# Altium PCB Lapwing2p2.PcbDoc (part 1 of 2) (continued)
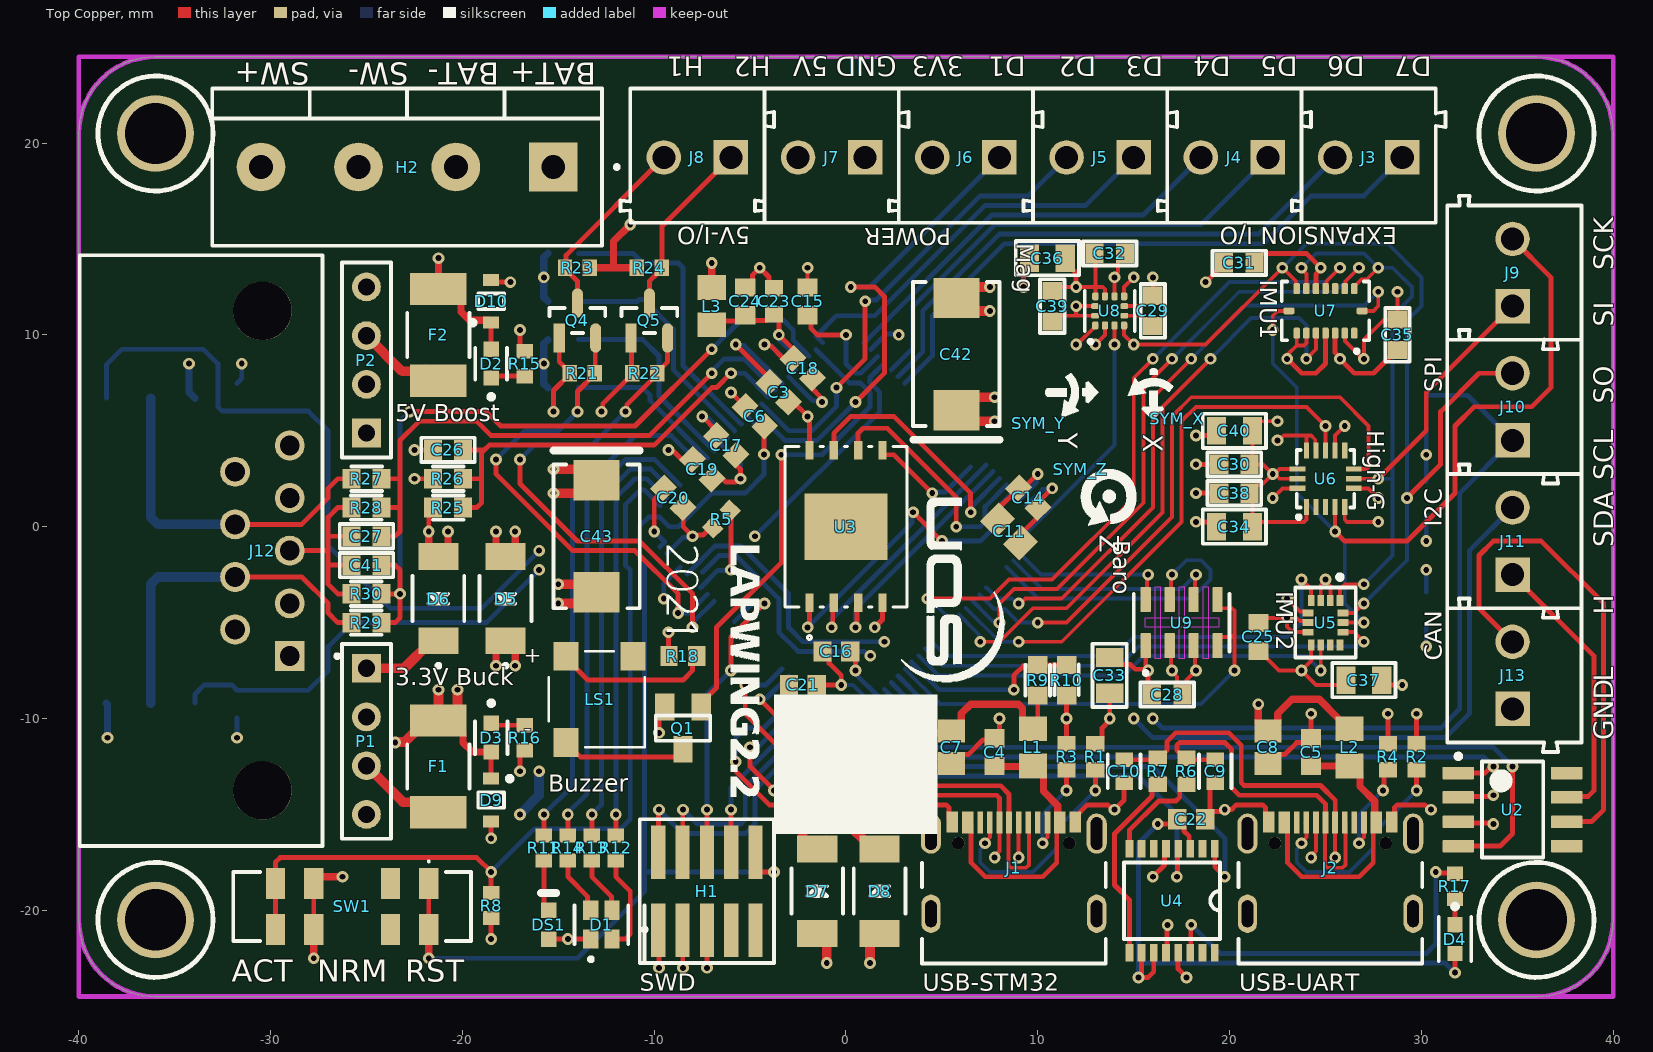
[diagram p0: Top Copper view]
## Components (designator, comment, footprint, x,y, rotation, side; value= is the part's Value field where it differs from the comment) (continued)
SYM_Z "" SYMBOL_GYRO_Z 12.25,3 r270 top
U1 "STM32L486VGT6" STM-LQFP100_L -0.136,0.028 r315 bottom locked
U2 "SN65HVD232D" D0008A_M 34.75,-14.75 r0 top
U3 "W25M02GVZEIT" WSON_VZEIT_WIN-M 0,0 r90 top locked
U4 "FT230XS-R" U_FT230XS 17,-19.5 r270 top
U5 "LSM6DSLTR" FP-LGA-14L-DM00249496-MFG 25,-5 r270 top
U6 "H3LIS331DLTR" U_H3LIS331DLTR 25,2.5 r90 top
U7 "BMI088" U_BMI088 25,11.25 r180 top
U8 "LIS2MDLTR" U_LIS2MDL 13.75,11.25 r90 top
U9 "MS560702BA03-50" U_MS560702BA03-50 17.5,-5 r90 top
XTAL1 "NX3215SA-32.768KHZ-EXS00A-MU00525" X_NX3215SA -11,8.5 r270 bottom value=32.768kHz
XTAL2 "NX3225GD-8MHZ-STD-CRA-3" X_NX3225GD -11,13 r270 bottom value=8MHz

## Footprints (in the part's own frame and the unit in brackets; to place one, negate y for a bottom-side part, rotate by r counter-clockwise, add the part's x,y. Pads: shape width x height; smd on the part's side, far side on the other; paste and mask are expansions set on the pad)
691103110002 [mm] "3,50mm - modular - blue - Horizontal wire entry - Pressure clamp - 8,4mm height - 02p"
  rect 1.8x1.8 hole 1.2: 1(-1.75,0.1)
  round 1.8 hole 1.2: 2(1.75,0.1)
  silkscreen extent -4,-3.5 4,3.5, body extent -4,-3.5 4,3.5, height 8.45
AVX-7343-31_L [mm] "Molded Capacitor, 2-Leads, Body 7.5x4.5mm, IPC High Density"
  rect 2.1x2.4 smd: 1(-2.925,0) 2(2.925,0)
  silkscreen extent -4.47,-2.25 3.75,2.25, body extent -3.97,-2.25 3.97,2.25, height 3.1
BOUR-MF-MSMF110-24X-2_V [mm] "Chip Fuse, 2-Leads, Body 4.6x3.24mm"
  rect 1.68x2.95 smd: 1(-2.39,0) 2(2.39,0)
  silkscreen extent -1.15,-1.62 1.15,1.62, body extent -2.3,-1.62 2.3,1.62, height 1.15
C0603 [mm] "CAP 0603"
  rect 0.94x1.02 smd: 1(-0.79,0) 2(0.79,0)
  silkscreen extent -1.4,-0.64 1.4,0.64, body extent -0.8,-0.41 0.8,0.41, height 0.82
C0805 [mm] "CAP 0805"
  rect 1x1.42 smd: 1(-0.935,0) 2(0.935,0)
  silkscreen extent -1.65,-0.89 1.65,0.89, body extent -1,-0.64 1,0.64, height 1.27
CAPC1608X90X35ML10T15 [mm] "Chip Capacitor, 2-Leads, Body 1.7x0.9mm, IPC Low Density"
  rect 0.95x1.05 smd: 1(-0.725,0) 2(0.725,0)
  body extent -0.85,-0.45 0.85,0.45, height 0.9
CAPC1608X90X35NL10T15 [mm] "Chip Capacitor, 2-Leads, Body 1.60x0.80mm, IPC Medium Density"
  rect 0.85x0.95 smd: 1(-0.675,0) 2(0.675,0)
  body extent -0.85,-0.45 0.85,0.45, height 0.9
CAPC2013X135X45NL10T25 [mm] "Chip Capacitor, 2-Leads, Body 2.00x1.25mm, IPC Medium Density"
  rect 1.2x1.4 smd: 1(-0.85,0) 2(0.85,0)
  body extent -1.05,-0.67 1.05,0.67, height 1.35
CLMVC-FKA [mm] "LED RGB"
  rect 1x0.8 smd paste+0 mask+0: 1(-0.75,0.55) 2(0.75,0.55) 3(0.75,-0.55) 4(-0.75,-0.55)
  silkscreen extent -1.9,-1.4 1,1.4, body extent -1,-1 1,1, height 0.91
D0008A_M [mm] "SOIC, 8-Leads, Body 5x4mm, Pitch 1.27mm, IPC Low Density"
  rrect15% 1.65x0.65 smd: 1(-2.825,1.905) 2(-2.825,0.635) 3(-2.825,-0.635) 4(-2.825,-1.905) 5(2.825,-1.905) 6(2.825,-0.635) 7(2.825,0.635) 8(2.825,1.905)
  silkscreen extent -2.95,-2.5 1.6,2.9, body extent -3,-2.45 3,2.45, height 1.63
D_PMEG6030EVPX [mm] "DIODE SOD128"
  rect 1.4x2.1 smd paste-2: A(-2.2,0) K(2.2,0)
  silkscreen extent -1.18,-1.35 3.6,1.35, body extent -2.5,-1.35 2.5,1.35, height 1.1
FP-318-08-IPC_B [mm]
  rect 1.524x0.578 smd paste+0 mask+0: 1(-0.91,0.95)
  rrect100% 1.524x0.578 smd paste+0 mask+0: 2(-0.91,-0.95) 3(0.91,0)
  silkscreen extent -0.65,-1.45 0.65,1.45, body extent -1.92,-1.7 1.92,1.7, height 0.25
FP-C0603C-CF-MFG [mm]
  rect 0.75x0.9 smd paste+0 mask+0: 1(-0.6,0) 2(0.6,0)
  silkscreen extent -0.87,-0.85 0.88,0.85, body extent -1.2,-0.6 1.2,0.6, height 0.25
FP-LGA-14L-DM00249496-MFG [mm]
  rect 0.575x0.35 smd paste+0 mask+0: 1(-1.162,0.75) 2(-1.162,0.25) 3(-1.162,-0.25) 4(-1.162,-0.75) 8(1.162,-0.75) 9(1.162,-0.25) 10(1.162,0.25) 11(1.162,0.75)
  rect 0.35x0.575 smd paste+0 mask+0: 5(-0.5,-0.913) 6(0,-0.913) 7(0.5,-0.913) 12(0.5,0.913) 13(0,0.913) 14(-0.5,0.913)
  silkscreen extent -2.5,-1.58 1.83,1.58, body extent -2.05,-1.8 2.05,1.8, height 0.25
FP-LTST-C190GKT-MFG [mm]
  rect 0.8x0.8 smd paste+0 mask+0: 1(-0.75,0) 2(0.75,0)
  silkscreen extent -1.92,-0.85 0.85,0.85, body extent -1.25,-0.55 1.25,0.55, height 0.25
FP-LTST-C190KFKT-MFG [mm]
  rect 0.8x0.8 smd paste+0 mask+0: 1(-0.75,0) 2(0.75,0)
  silkscreen extent -1.82,-0.85 1.15,0.85, body extent -1.25,-0.55 1.25,0.55, height 0.25
FP-LTST-C190KRKT-MFG [mm]
  rect 0.8x0.8 smd paste+0 mask+0: 1(-0.75,0) 2(0.75,0)
  silkscreen extent -1.85,-0.82 0.82,0.82, body extent -1.25,-0.55 1.25,0.55, height 0.25
H_282837-4 [mm]
  rect 2.54x2.54 hole 1.245: 1(-7.62,4.1)
  round 2.54 hole 1.245: 2(-2.54,4.1) 3(2.54,4.1) 4(7.62,4.1)
  silkscreen extent -11.03,0 10.16,8.2, body extent -10.76,0 10.16,8.2, height 10.25
H_FTSH-105-01-L-DV-K-P [mil] "HEADER 10WAY 0.5\""
  rect 29x110 smd mask+2: 1(-100,-80) 2(-100,80) 3(-50,-80) 4(-50,80) 5(0,-80) 6(0,80) 7(50,-80) 8(50,80) 9(100,-80) 10(100,80)
  silkscreen extent -138,-148 138,148, body extent -125,-114 125,116, height 245
H_GCT_USB4105-GF-A [mm]
  rect 0.6x1.1 smd: A1/B12(-3.2,1.1) B1/A12(3.2,1.1)
  rect 0.6x1.15 smd: A4/B9(-2.4,1.075) B4/A9(2.4,1.075)
  rect 0.3x1.15 smd: A5(-1.25,1.075) A6(-0.25,1.075) A7(0.25,1.075) A8(1.25,1.075) B5(1.75,1.075) B6(0.75,1.075) B7(-0.75,1.075) B8(-1.75,1.075)
  oval 1x2 hole 0.6 slot 1.4 at 90 deg: G1(-4.32,-3.68) G2(4.32,-3.68)
  oval 1.05x2.1 hole 0.6 slot 1.7 at 90 deg: G3(-4.32,0.5) G4(4.32,0.5)
  round 0.65 hole 0.65 unplated: ""(-2.89,0) ""(2.89,0)
  silkscreen extent -4.79,-6.28 4.79,-1.03, body extent -4.79,-6.28 4.79,1.43, height 3.31
HDR1X4 [mm] "Connector; Header; 4 Position"
  rect 1.5x1.5 hole 0.9: 1(0,0)
  round 1.5 hole 0.9: 2(2.54,0) 3(5.08,0) 4(7.62,0)
  silkscreen extent -1.27,-1.27 8.89,1.27
J_5745781-4 [mil] "D-SUB 9WAY"
  rect 61.5x61.5 hole 41: 1(216,56)
  round 61.5 hole 41: 2(108,56) 3(0,56) 4(-108,56) 5(-216,56) 6(162,-56) 7(54,-56) 8(-54,-56) 9(-162,-56)
  round 120 hole 120 unplated: ""(-492,0) ""(492,0)
  silkscreen extent -607,-375 607,157, body extent -611,-620 611,126, height 494
JS203011JCQN [mm]
  rect 1x1.6 smd: 1(-4,-0.9) 2(-2,-0.9) 3(2,-0.9) 4(4,-0.9) 5(-4,1.5) 6(-2,1.5) 7(2,1.5) 8(4,1.5)
  silkscreen extent -6.2,-2.1 6.2,2.1, body extent -6.5,-1.5 6.5,2.1, height 5.62
LIRD-MI0805K601R-10-2_V [mm] "Chip Bead, 2-Leads, Body 2.2 x1.45 mm"
  rect 1.285x1.47 smd: 1(-0.972,0) 2(0.972,0)
  body extent -1.1,-0.72 1.1,0.73, height 1.1
LTST-C190TBKT-2_V [mm] "SMD, 2-Leads, Body 1.6x0.8mm"
  rect 0.8x0.8 smd: 1(-0.75,0) 2(0.75,0)
  silkscreen extent 1.65,-0.4 1.65,0.4, body extent -0.8,-0.4 0.8,0.4, height 0.8
ONSC-SOD-323-2-477-02_V [mm] "SOD, 2-Leads, Body 1.7x1.25mm"
  rect 0.63x0.83 smd: 1(-1.115,0) 2(1.115,0)
  silkscreen extent -1.24,-0.67 0.4,1.09, body extent -0.85,-0.63 0.85,0.63, height 1.06
Q_BSS138 [mm] "FET SOT23"
  rect 1x1.4 smd: D(0,1.1) G(-0.95,-1.1) S(0.95,-1.1)
  silkscreen extent -1.42,-0.66 1.42,0.66, body extent -1.45,-1.2 1.45,1.2, height 1.2
Q_NDT3055L [mil]
  rect 48x88 smd: D(2.8,-121.7) G(-88.2,-121.7) S(93.8,-121.7)
  rect 141.73x86.61 smd: D(2.8,122.31)
  silkscreen extent -126,-70 132,70, body extent -128,-138 128,138, height 71
R0603 [mm] "RES 0603"
  rect 0.94x1.02 smd: 1(-0.79,0) 2(0.79,0)
  silkscreen extent -0.79,-0.64 0.81,0.64, body extent -0.8,-0.39 0.8,0.41, height 0.45
RESC0805(2012)_L [mm] "Chip Resistor, Body 2.0x1.3mm, IPC High Density"
  rect 0.85x1.3 smd: 1(-0.85,0) 2(0.85,0)
  silkscreen extent -0.05,-0.55 0.05,0.55, body extent -1.1,-0.67 1.1,0.68, height 0.7
RESC1608X55X30LL15T15 [mm] "Chip Resistor, 2-Leads, Body 1.75x0.95mm, IPC High Density"
  rect 0.75x0.85 smd: 1(-0.65,0) 2(0.65,0)
  body extent -0.87,-0.48 0.87,0.48, height 0.55
RESC1608X55X30ML15T15#1 [mm] "Chip Resistor, 2-Leads, Body 1.60x0.80mm, IPC Low Density"
  rect 0.9x1.05 smd: 1(-0.725,0) 2(0.725,0)
  body extent -0.87,-0.48 0.87,0.48, height 0.55
RESC1608X55X30ML15T15#2 [mm] "Chip Resistor, 2-Leads, Body 1.75x0.95mm, IPC Low Density"
  rect 1.15x1.05 smd: 1(-0.85,0) 2(0.85,0)
  body extent -0.87,-0.48 0.87,0.48, height 0.55
RESC1608X55X30NL15T15 [mm] "Chip Resistor, 2-Leads, Body 1.60x0.80mm, IPC Medium Density"
  rect 0.8x0.95 smd: 1(-0.675,0) 2(0.675,0)
  body extent -0.87,-0.48 0.87,0.48, height 0.55
RESC1609X55X30LL15T15 [mm] "Chip Resistor, 2-Leads, Body 1.75x0.95mm, IPC High Density"
  rect 0.75x0.85 smd: 1(-0.65,0) 2(0.65,0)
  body extent -0.87,-0.47 0.87,0.47, height 0.55
STM-LQFP100_L [mm] "Thin QFP, 100-Leads, Body 14x14mm, Pitch 0.5mm, IPC High Density"
  oval 1.55x0.25 smd: 1(-7.525,6) 2(-7.525,5.5) 3(-7.525,5) 4(-7.525,4.5) 5(-7.525,4) 6(-7.525,3.5) 7(-7.525,3) 8(-7.525,2.5) 9(-7.525,2) 10(-7.525,1.5) 11(-7.525,1) 12(-7.525,0.5) 13(-7.525,0) 14(-7.525,-0.5) 15(-7.525,-1) 16(-7.525,-1.5) 17(-7.525,-2) 18(-7.525,-2.5) 19(-7.525,-3) 20(-7.525,-3.5) 21(-7.525,-4) 22(-7.525,-4.5) 23(-7.525,-5) 24(-7.525,-5.5) 25(-7.525,-6) 51(7.525,-6) 52(7.525,-5.5) 53(7.525,-5) 54(7.525,-4.5) 55(7.525,-4) 56(7.525,-3.5) 57(7.525,-3) 58(7.525,-2.5) 59(7.525,-2) 60(7.525,-1.5) 61(7.525,-1) 62(7.525,-0.5) 63(7.525,0) 64(7.525,0.5) 65(7.525,1) 66(7.525,1.5) 67(7.525,2) 68(7.525,2.5) 69(7.525,3) 70(7.525,3.5) 71(7.525,4) 72(7.525,4.5) 73(7.525,5) 74(7.525,5.5) 75(7.525,6)
  oval 0.25x1.55 smd: 26(-6,-7.525) 27(-5.5,-7.525) 28(-5,-7.525) 29(-4.5,-7.525) 30(-4,-7.525) 31(-3.5,-7.525) 32(-3,-7.525) 33(-2.5,-7.525) 34(-2,-7.525) 35(-1.5,-7.525) 36(-1,-7.525) 37(-0.5,-7.525) 38(0,-7.525) 39(0.5,-7.525) 40(1,-7.525) 41(1.5,-7.525) 42(2,-7.525) 43(2.5,-7.525) 44(3,-7.525) 45(3.5,-7.525) 46(4,-7.525) 47(4.5,-7.525) 48(5,-7.525) 49(5.5,-7.525) 50(6,-7.525) 76(6,7.525) 77(5.5,7.525) 78(5,7.525) 79(4.5,7.525) 80(4,7.525) 81(3.5,7.525) 82(3,7.525) 83(2.5,7.525) 84(2,7.525) 85(1.5,7.525) 86(1,7.525) 87(0.5,7.525) 88(0,7.525) 89(-0.5,7.525) 90(-1,7.525) 91(-1.5,7.525) 92(-2,7.525) 93(-2.5,7.525) 94(-3,7.525) 95(-3.5,7.525) 96(-4,7.525) 97(-4.5,7.525) 98(-5,7.525) 99(-5.5,7.525) 100(-6,7.525)
  silkscreen extent -7.65,-6.35 6.35,6.8, body extent -7,-7 7,7, height 1.6
SYMBOL_GYRO_CCLOCKWISE [mm] "SYMBOL_GYRO_CCLOCKWISE"
  silkscreen extent 0.35,0.21 2.65,2.57
SYMBOL_GYRO_CLOCKWISE [mm] "SYMBOL_GYRO_CLOCKWISE"
  silkscreen extent 0.32,0.28 2.59,2.61
SYMBOL_GYRO_Z [mm] "SYMBOL_GYRO_Z"
  silkscreen extent -0.01,-0.01 2.95,2.88
U_BMI088 [mm] "IC 16LGA"
  rrect50% 0.34x0.58 smd: 1(-1.5,1.16) 2(-1,1.16) 3(-0.5,1.16) 4(0,1.16) 5(0.5,1.16) 6(1,1.16) 7(1.5,1.16) 9(1.5,-1.16) 10(1,-1.16) 11(0.5,-1.16) 12(0,-1.16) 13(-0.5,-1.16) 14(-1,-1.16) 15(-1.5,-1.16)
  rrect50% 0.58x0.35 smd: 8(1.91,0) 16(-1.91,0)
  silkscreen extent -2.28,-1.53 2.28,2.2, body extent -2.25,-1.5 2.25,1.5, height 1
U_FT230XS [mil] "IC 16-SSOP"
  rect 36x16 smd: 1(-107,87.5) 2(-107,62.5) 3(-107,37.5) 4(-107,12.5) 5(-107,-12.5) 6(-107,-37.5) 7(-107,-62.5) 8(-107,-87.5) 9(107,-87.5) 10(107,-62.5) 11(107,-37.5) 12(107,-12.5) 13(107,12.5) 14(107,37.5) 15(107,62.5) 16(107,87.5)
  silkscreen extent -78,-98 78,98, body extent -118,-97 118,97, height 69
U_H3LIS331DLTR [mm] "IC 16TFLGA"
  rect 0.83x0.27 smd: 1(-1.47,1) 2(-1.47,0.5) 3(-1.47,0) 4(-1.47,-0.5) 5(-1.47,-1) 9(1.47,-1) 10(1.47,-0.5) 11(1.47,0) 12(1.47,0.5) 13(1.47,1)
  rect 0.27x0.83 smd: 6(-0.5,-1.47) 7(0,-1.47) 8(0.5,-1.47) 14(0.5,1.47) 15(0,1.47) 16(-0.5,1.47)
  silkscreen extent -2.1,-1.5 1.5,1.5, body extent -1.5,-1.5 1.5,1.5, height 1.1
U_LIS2MDL [mm] "IC 12-WFLGA"
  rrect50% 0.41x0.33 smd: 1(-0.76,0.75) 2(-0.76,0.25) 3(-0.76,-0.25) 4(-0.76,-0.75) 7(0.76,-0.75) 8(0.76,-0.25) 9(0.76,0.25) 10(0.76,0.75)
  rrect50% 0.3x0.41 smd: 5(-0.25,-0.76) 6(0.25,-0.76) 11(0.25,0.76) 12(-0.25,0.76)
  silkscreen extent -1.7,-1.3 1.05,1.3, body extent -1,-1 1,1, height 0.7
U_MS560702BA03-50 [mm] "IC 8SMD"
  rrect15% 1.31x0.53 smd: 1(-1.2,1.875)
  rrect16% 1.31x0.53 smd: 2(-1.2,0.625) 3(-1.2,-0.625) 4(-1.2,-1.875) 5(1.2,-1.875) 6(1.2,-0.625) 7(1.2,0.625) 8(1.2,1.875)
  Top Copper keep-out region: 1.875,-0.125 -1.877,-0.125 -1.877,0.125 1.875,0.125
  Top Copper keep-out region: 1.875,-1.375 -1.877,-1.375 -1.877,-1.125 1.875,-1.125
  Top Copper keep-out region: 0.25,-1.937 -0.25,-1.937 -0.25,1.905 0.25,1.905
  Top Copper keep-out region: 1.875,1.125 -1.877,1.125 -1.877,1.375 1.875,1.375
  silkscreen extent -2.73,-2.5 1.5,2.5, body extent -1.5,-2.5 1.5,2.5, height 1
WSON_VZEIT_WIN-M [mil]
  rect 38x17 smd paste+0 mask+0: 1(-156.5,75) 2(-156.5,25) 3(-156.5,-25) 4(-156.5,-75) 5(156.5,-75) 6(156.5,-25) 7(156.5,25) 8(156.5,75)
  rect 136x171 smd paste+0 mask+0: 9(0,0)
  silkscreen extent -231,-125 164,125, body extent -157,-118 157,118, height 29
X_NX3215SA [mm]
  rect 1x1.8 smd: 1(-1.25,0) 2(1.25,0)
  silkscreen extent -0.6,-0.9 0.6,0.9, body extent -1.6,-0.75 1.6,0.75, height 0.9
X_NX3225GD [mm]
  rect 1.75x2.65 smd: 1(-1.15,0) 2(1.15,0)
  silkscreen extent -2.27,-1.6 2.27,1.6, body extent -1.6,-1.25 1.6,1.25, height 1
XDCR_CMT-0502-75-SMT-TR [mm]
  rect 1.3x1.5 smd: 1(1.9,2.25) N(-1.6,-2.25) P(-1.6,2.25)
  silkscreen extent -2.5,-2.5 2.5,2.5, body extent -2.5,-2.7 2.5,2.7, height 2

## Part data
C1 C2 C12 C13 C26 C27 C28 C29 C30 C31 C32 C33 C34 C35 C36 C37 C38 C39 C40 C41: "CAPACITOR"
C3 C14 C15 C16 C17 C18 C19 C20 C21 C22 C25: library part CMP-2100-03643-1, "Chip Capacitor, 0.1 uF, +/- 10%, 50 V, -55 to 125 degC, 0603 (1608 Metric), RoHS, Tape and Reel", Capacitance=100nF, Case Code (Imperial)=0603, Case Code (Metric)=1608, Dielectric=X7R, Dielectric Material=Ceramic, Insulation Resistance=10GR, Manufacturer=Murata, Max Operating Temperature=125degC, Min Operating Temperature=-55degC, Package Description="2-Pin Surface Mount Device, Body 1.6 x 0.8 mm", Package Quantity=1, Tolerance=10%, Voltage=50V, Case/Package=0603, Contact Plating=Tin, Datasheet URL=http://psearch.en.murata.com/capacitor/product/GRM188R71H104KA93%23.pdf, Datasheet Version=42675.0, Depth=0.8mm, Height=0.8mm, Lead Free=LeadFree, Length=1.6mm, Manufacturer URL=http://www.murata.com/, Material=Ceramic, Mount=SurfaceMount, Number of Pins=2, Package Reference=0603, Packaging=TapeandReel, Radiation Hardening=No, REACH SVHC=NoSVHC, RoHSCompliant=true, Termination=SMD/SMT, Thickness=0.035inch, Voltage Rating=50V, Voltage Rating (DC)=50V, Width=0.8mm
C4 C5 C6 C24: library part CMP-2100-03642-1, "Chip Capacitor, 10 nF, +/- 10%, 50 V, -55 to 125 degC, 0603 (1608 Metric), RoHS, Tape and Reel", Capacitance=10nF, Case Code (Imperial)=0603, Case Code (Metric)=1608, Dielectric=X7R, Dielectric Material=Ceramic, Insulation Resistance=10GR, Manufacturer=Murata, Max Operating Temperature=125degC, Min Operating Temperature=-55degC, Package Description="2-Pin Surface Mount Device, Body 1.6 x 0.8 mm", Package Quantity=1, Tolerance=10%, Voltage=50V, Case/Package=0603, Datasheet URL=http://search.murata.co.jp/Ceramy/image/img/A01X/G101/ENG/GRM188R71H103KA01-01.pdf, Datasheet Version=42401.0, Depth=0.8mm, Height=0.8mm, Lead Free=LeadFree, Length=1.6mm, Manufacturer URL=http://www.murata.com/, Material=Ceramic, Mount=SurfaceMount, Number of Pins=2, Package Reference=0603, Packaging=TapeandReel, REACH SVHC=Unknown, RoHSCompliant=True, Termination=SMD/SMT, Thickness=0.035inch, Voltage Rating=50V, Voltage Rating (DC)=50V, Width=0.031inch
C7 C8 C11: library part CMP-2007-03545-1, Manufacturer=Murata, Part Number=GRM21BR61E475KA12L
C9 C10: library part CMP-1035-01063-3, "CAP CER 47PF 50V C0G/NP0 0603", Capacitance="47 pF", Manufacturer=KEMET, Package=C0603C-CF, Temperature="-55°C to +125°C", Temperature Characteristic=C0G, Temperature Coefficient=30ppm/°C, Temperature Range High=+125°C, Temperature Range Low=-55°C, Tolerance=0.05, Voltage Rating="50 V", Automotive=Yes, Automotive Grade="Grade 1", Category=Cap, ComponentLink2Description=Datasheet, ComponentLink2URL=https://api.kemet.com/component-edge/download/datasheet/C0603C100J5GACAUTO.pdf, Device Class L1="Passive Components", Device Class L2=Capacitors, Device Class L3="Ceramic Capacitors", Digikey Description="CAP CER 47PF 50V C0G/NP0 0603", Height=0.87mm, Lead Free=Yes, Manufacturer Part Number=C0603C470J5GACTU, Material=Ceramic, Mouser Description="Capacitor; Ceramic; Cap; 47.0pF; Tol+5%; SMT; Vol-Rtg 50V; C0G; TR", Octopart=https://octopart.com/c0603c470j5gactu-kemet-96565, RoHS=TRUE
C23: library part CMP-2006-02460-1, Manufacturer=Murata, Part Number=GRM188R71E105KA12D
C42 C43: library part CMP-2000-07307-1, "Tantalum Capacitor, 47 uF, +/- 10%, 25 V, -55 to 125 degC, 2-Pin SMD, Tape and Reel", Capacitance=47uF, Case Code - in=2917, Case Code - mm=7343, Leakage Current=11.8uA, Manufacturer=AVX, Maximum Operating Temperature=+125C, Mfr Case Code=DCase, Minimum Operating Temperature=-55C, Operating Temperature Range=-55Cto+125C, Package / Case=2917(7343metric), Package Description="2-Pin Surface Mount Device, Body 7.3 x 4.35 mm", Package Reference=7343-31, Ripple Current=0.4mA, Tolerance=10%, Voltage Rating=25V, Brand=AVX, Datasheet URL=https://datasheet.ciiva.com/11793/0900766b80066cb4-11793194.pdf, Datasheet Version=02/2004, Dissipation Factor DF=6, ESR=150mOhms, Height=3.1mm, Length=7.3mm, Manufacturer URL=http://www.avx.com/, Mounting Technology=SurfaceMount, Packaging=Reel, Product=TantalumSolidLowESRStandardGrade, Product Category=TantalumCapacitors-SolidSMD, Qualification=Commercial, RoHS=True, Series=TPS, Termination Style=SMD/SMT, Unit Weight=0.023634oz, Width=4.3mm
D1: "LED RGB CLEAR 4PLCC SMD", Package=4-PLCC, Supplier Part Number 1=CLMVC-FKA-CL1D1L71BB7C3C3CT-ND, Digi-Key_Part_Number=CLMVC-FKA-CL1D1L71BB7C3C3CT-ND, Digi-Key_Purchase_URL=https://www.digikey.com.au/product-detail/en/cree-inc/CLMVC-FKA-CL1D1L71BB7C3C3/CLMVC-FKA-CL1D1L71BB7C3C3CT-ND/9094273, MF="Cree Inc.", MP=CLMVC-FKA-CL1D1L71BB7C3C3, SnapEDA_Link=https://www.snapeda.com/parts/CLMVC-FKA-CL1D1L71BB7C3C3/Cree%20Inc./view-part/, Supplier 1=Digi-Key
D2: library part CMP-1674-00011-2, "LED RED CLEAR CHIP SMD", Case Code (Imperial)=0603, Case Code (Metric)=1608, Color=Red, Forward Current=30mA, Forward Voltage=2.4V, Lens Color=Colorless, Max Operating Temperature=85°C, Min Operating Temperature=-55°C, Package Quantity=1, Power Dissipation=75mW, Reverse Voltage=5V, Test Current=20mA, Case/Package=0603, Depth=0.8mm, Dominant Wavelength=631nm, Height=0.8mm, Illumination Color=Red, Lead Free="Lead Free", Length=1.6mm, Lens Style=Diffused, Lens Transparency=Clear, Luminous Intensity=54mcd, Mount="Surface Mount", Number of Elements=1, Number of LEDs=1, Number of Pins=2, Packaging="Tape and Reel", Power Rating=75mW, Radiation Hardening=No, Viewing Angle=130°, Wavelength=639nm, Width=0.8mm
D3: library part CMP-22017-000005-2, "LED GREEN CLEAR CHIP SMD", Case Code (Imperial)=0603, Case Code (Metric)=1608, Color=Green, Forward Current=30mA, Forward Voltage=2.1V, Lens Color=Colorless, Max Operating Temperature=85°C, Min Operating Temperature=-55°C, Package Quantity=1, Power Dissipation=100mW, Reverse Voltage=5V, Test Current=10mA, Voltage=2V, Case/Package=0603, Depth=0.8mm, Dominant Wavelength=569nm, Height=0.8mm, Illumination Color=Green, Lead Free="Lead Free", Length=1.6mm, Lens Style=Clear, Lens Transparency=Clear, Luminous Intensity=6mcd, Mount="Surface Mount", Number of Elements=1, Number of LEDs=1, Number of Pins=2, Packaging="Tape and Reel", Power Rating=100mW, Radiation Hardening=No, Viewing Angle=130°, Wavelength=565nm, Width=0.8mm
D4: library part CMP-1674-00008-2, "LED ORANGE CLEAR CHIP SMD", Case Code (Imperial)=0603, Case Code (Metric)=1608, Color=Orange, Forward Current=30mA, Forward Voltage=2V, Lens Color=Colorless, Max Operating Temperature=85°C, Min Operating Temperature=-55°C, Package Quantity=1, Power Dissipation=75mW, Reverse Voltage=5V, Test Current=20mA, Case/Package=0603, Depth=1.6mm, Dominant Wavelength=605nm, Height=0.8mm, Illumination Color=Orange, Lead Free="Lead Free", Length=3.2mm, Lens Style=Diffused, Lens Transparency=Clear, Luminous Intensity=90mcd, Mount="Surface Mount", Number of Elements=1, Number of LEDs=1, Number of Pins=2, Packaging="Tape and Reel", Power Rating=75mW, Radiation Hardening=No, Viewing Angle=130°, Wavelength=611nm, Width=0.8mm
D5 D6 D7 D8: "DIODE SCHOTTKY 60V 3A SOD128"
D9: library part CMP-1060-00650-1, "Zener Voltage Regulator, 300 mW, 2-Pin SOD-323, Pb-Free, Tape and Reel", Manufacturer="On Semiconductor", ComponentLink1Description="Manufacturer URL", ComponentLink1URL=http://www.onsemi.com/, ComponentLink2Description=Datasheet, ComponentLink2URL=http://www.onsemi.cn/pub_link/Collateral/MM3Z2V4T1-D.PDF, ComponentLink3Description="Package Specification", ComponentLink3URL=http://www.onsemi.com/pub_link/Collateral/477-02.PDF.1, DatasheetVersion="Rev. 9", Mounting Technology="Surface Mount", P Max (W)=0.3, PackageDescription="2-Pin SOD, Body 1.7 x 1.25 mm", PackageReference=SOD-323-2-477-02, PackageVersion="Rev. H, 03/2007", Packing="Tape and Reel", PartNumber=MM3Z3V6T1G, RoHS=Pb-Free, VZ Typ (V)=3.6
D10: library part CMP-1060-00704-1, "Zener Voltage Regulator, 300 mW, 2-Pin SOD-323, Pb-Free, Tape and Reel", Manufacturer="On Semiconductor", ComponentLink1Description="Manufacturer URL", ComponentLink1URL=http://www.onsemi.com/, ComponentLink2Description=Datasheet, ComponentLink2URL=http://www.onsemi.cn/pub_link/Collateral/MM3Z2V4T1-D.PDF, ComponentLink3Description="Package Specification", ComponentLink3URL=http://www.onsemi.com/pub_link/Collateral/477-02.PDF.1, DatasheetVersion="Rev. 9", Mounting Technology="Surface Mount", P Max (W)=0.3, PackageDescription="2-Pin SOD, Body 1.7 x 1.25 mm", PackageReference=SOD-323-2-477-02, PackageVersion="Rev. H, 03/2007", Packing="Tape and Reel", PartNumber=MM3Z5V6T1G, RoHS=Pb-Free, VZ Typ (V)=5.6
DS1: library part CMP-1674-00010-1, "Single Color Chip LED, 2.8 to 3.8 V, 28 to 180 mcd, -20 to 80 degC, 2-Pin SMD, RoHS, Tape and Reel", Case\Package=DFN, Max Operating Temperature="125 degC", Max Supply Voltage="3.6 V", Min Operating Temperature="-40 degC", Min Supply Voltage="2.1 V", Nominal Supply Voltage="3 V", ComponentLink1Description="Manufacturer URL", ComponentLink1URL=http://www.us.liteon.com/, ComponentLink2Description=Datasheet, ComponentLink2URL=http://optoelectronics.liteon.com/upload/download/DS-22-99-0224/S_110_LTST-C190TBKT(0630).pdf, DatasheetVersion="Rev. K, 08/2011", Height="1.1 mm", Interface=Serial, Length="3 mm", Mount="Surface Mount", PackageDescription="2-Pin Surface Mount Device, Body 1.6 x 0.8 mm", PackageReference=C190TBKT-2, Packaging="Cut Tape", Pins=6, REACH SVHC="No SVHC", RoHSCompliant=true, Width="3 mm"
F1 F2: library part CMP-2100-03655-1, "PTC Resettable Fuse, 24 V, 1.1 A, -40 to 85 degC, 2-Pin SMD, RoHS, Tape and Reel", Case Code (Imperial)=1812, Case Code (Metric)=4532, Manufacturer=Bourns, Max Current Rating=20A, Max Operating Temperature=85degC, Min Operating Temperature=-40degC, Package Description="2-Pin Surface Mount Device, Body 4.6 x 3.24 mm", Package Reference=MF-MSMF110-24X-2, Power Dissipation=800mW, Supply Voltage=24V, Case/Package=1812, Contact Plating=Gold, Datasheet URL=http://www.bourns.com/docs/Product-Datasheets/mfmsmf.pdf, Datasheet Version="Rev. AG, 08/2016", Height=1.6mm, Length=4.83mm, Manufacturer URL=http://www.bourns.com/, Mount=SurfaceMount, Number of Terminals=2, Packaging=TapeandReel, Radiation Hardening=No, REACH SVHC=NoSVHC, RoHSCompliant=true, Voltage Rating=24V, Voltage Rating (DC)=24V, Width=3.41mm
H1: "CONN HEADER SMD 10POS 1.27MM", Supplier Part Number 1=SAM9076-ND, ComponentLink1Description=DigiKey, ComponentLink1URL=https://www.digikey.com.au/product-detail/en/samtec-inc/FTSH-105-01-L-DV-K-P/SAM9076-ND/6613384, Supplier 1=Digi-Key
H2: "TERM BLK 4P SIDE ENT 5.08MM PCB", Supplier Part Number 1=A124423-ND, Supplier 1=Digi-Key
J1 J2: "CONN RCPT USB2.0 TYPEC 5A", Package=None, Supplier Part Number 1=2073-USB4105-GF-ACT-ND, Availability=Unavailable, MF=GCT, MP=USB4105-GF-A, Price=None, SnapEDA_Link=https://www.snapeda.com/parts/USB4105-GF-A/Global%20Connector%20Technology/view-part/4423780/?ref=snap, Supplier 1=Digi-Key
J3 J4 J5 J6 J7 J8 J9 J10 J11 J13: library part CMP-1502-03254-1, "Series 1031 - 3.50 mm Horizontal Entry Modular with Pressure Clamp WR-TBL, 2 pin", Manufacturer="Wurth Elektronik", Operating Temperature=-40to105degC, Datasheet URL=http://katalog.we-online.de/em/datasheet/6911031100xx.pdf, Manufacturer URL=http://www.we-online.de, Mounting Technology=THT, Package Reference=691103110002, Packaging=Box, Part Number=691103110002, Pin Number=2, Pitch=3.50mm, Publisher=WurthElektronik
J12: "CONN D-SUB RCPT 9POS R/A SOLDER", Package=None, Supplier Part Number 1=A32075-ND, Centerline_Pitch="2.74 mm[.108 in]", Digi-Key_Part_Number=A32075-ND, Digi-Key_Purchase_URL=https://www.digikey.com/product-detail/en/te-connectivity-amp-connectors/5745781-4/A32075-ND/808630?utm_source=snapeda&utm_medium=aggregator&utm_campaign=symbol, EU_RoHS_Compliance=Compliant, MF="TE Connectivity", MP=5745781-4, Number_of_Positions=9, Product_Type=Connector, SnapEDA_Link=https://www.snapeda.com/parts/5745781-4/TE%20Connectivity%20AMP%20Connectors/view-part/2374514/?ref=snap, Supplier 1=Digi-Key, TE_purchase_URL=https://www.te.com/usa-en/product-5745781-4.html?te_bu=Cor&te_type=disp&te_campaign=seda_glo_cor-seda-global-disp-prtnr-fy19-seda-model-bom-cta_sma-317_1&elqCampaignId=32493
L1 L2 L3: library part CMP-2000-05196-1, "Chip Bead for Power Filtering, 1500 mA, 600 Ohm, -40 to 125 degC, 0805 (2012 Metric), RoHS, Tape and Reel", Current Rating (Max)=1.5A, DC Resistance (DCR) (Max)=100mOhm, Impedance @ Frequency=600Ohm@100MHz, Manufacturer=Laird, Operating Temperature=-40degC~125degC, Package / Case=0805(2012Metric), Package Description="2-Pin Surface Mount Device, Body 2 x 1.25 mm", Package Reference=MI0805K601R-10-2, Ratings=-, Standard Package=1, Catalog Drawings=(HI,HZ,LI,MI)0805Series_1.10mmMax.Height, Category=Filters, Datasheet URL=https://datasheet.ciiva.com/3082/mi0805k601r-10-a-vp-3082219.pdf, Datasheet Version="Rev. A, 01/2004", Family=FerriteBeadsandChips, Filter Type=PowerLine, Height (Max)="0.043\"(1.10mm)", Kits=240-2227-ND-KITEMIFERRITEBEADCHIPSMD, Manufacturer URL=https://www.lairdtech.com, Mounting Type=SurfaceMount, Number of Lines=1, Online Catalog=MISeries, Other Names=240-2390-1, Packaging=CutTape(CT), Series=MI, Size / Dimension="0.079\"Lx0.049\"W(2.00mmx1.25mm)"
LS1: "BUZZER, 5 MM, 2 MM DEEP, M, 3 V,", Package="CUI Devices", Availability=Unavailable, CUI_purchase_URL=https://www.cuidevices.com/product/audio/buzzers/audio-transducers/cmt-0502-75-smt-tr?utm_source=snapeda.com&utm_medium=referral&utm_campaign=snapedaBOM, MF="CUI Devices", MP=CMT-0502-75-SMT-TR, Price=None, SnapEDA_Link=https://www.snapeda.com/parts/CMT-0502-75-SMT-TR/CUI%20Devices/view-part/3662555/?ref=snap
P1 P2: library part "Header 4", "Header, 4-Pin", LatestRevisionDate=17-Jul-2002, LatestRevisionNote="Re-released for DXP Platform.", Publisher="Altium Limited"
Q1: "MOSFET N-CH 50V 220MA SOT-23", Supplier Part Number 1=BSS138CT-ND, Supplier 1=Digi-Key
Q2 Q3: "MOSFET N-CH 60V 4A SOT-223-4", Supplier Part Number 1=NDT3055LCT-ND, Supplier 1=Digi-Key
Q4 Q5: library part CMP-07173-000101-1, "MOSFET N-CH 50V 220MA SOT-23", Case/Package=SOT-23, Continuous Drain Current (ID)=220mA, Drain to Source Breakdown Voltage=50V, Drain to Source Resistance=3.5R, Gate to Source Voltage (Vgs)=20V, Input Capacitance=27pF, Max Operating Temperature=150°C, Max Power Dissipation=360mW, Min Operating Temperature=-55°C, On-State Resistance=6R, Package Quantity=1, Threshold Voltage=1.3V, Contact Plating=Tin, Current Rating=220mA, Drain to Source Voltage (Vdss)=50V, Dual Supply Voltage=50V, Element Configuration=Single, Fall Time=9ns, Height=0.93mm, Lead Free="Lead Free", Length=2.92mm, Mount="Surface Mount", Nominal Vgs=1.3V, Number of Elements=1, Number of Pins=3, Packaging="Tape and Reel", Power Dissipation=360mW, Radiation Hardening=No, Rds On Max=3.5R, REACH SVHC="No SVHC", Rise Time=9ns, Termination=SMD/SMT, Turn-Off Delay Time=20ns, Turn-On Delay Time=2.5ns, Voltage Rating (DC)=50V, Weight=0.03g, Width=1.3mm
R1 R2 R3 R4: library part CMP-2000-00540-1, Manufacturer=Panasonic, Part Number=ERJ-3EKF5101V
R5 R8 R21 R22 R23 R24: library part CMP-1012-00623-3, "Chip Resistor, 10 KOhm, +/- 1%, 0.1 W, -55 to 155 degC, 0603 (1608 Metric), RoHS, Tape and Reel", Case Code (Imperial)=0603, Case Code (Metric)=1608, Manufacturer=Panasonic, Max Operating Temperature=155degC, Max Power Dissipation=100mW, Min Operating Temperature=-55degC, Package Description="2-Pin Surface Mount Device, Body 1.6 x 0.85 mm", Package Quantity=1, Package Reference=603, Resistance=10KOhm, Temperature Coefficient=100ppm\/degreesC, Tolerance=1%, Voltage Rating=75V, Case\/Package=0603, Composition=ThickFilm, Contact Plating=Tin, Datasheet URL=https://industrial.panasonic.com/cdbs/www-data/pdf/RDA0000/AOA0000C304.pdf, Datasheet Version=02/2017, Depth=0.8mm, Height=0.45mm, Lead Free=LeadFree, Length=1.6mm, Manufacturer URL=http://www.panasonic.com/, Military Standard=Not, Mount=SurfaceMount, Mounting Technology=SurfaceMount, Number of Pins=2, Number of Terminations=2, Packaging=TapeandReel, Power Rating=100mW, Radiation Hardening=No, REACH SVHC=NoSVHC, RoHSCompliant=true, Termination=SMD/SMT, Voltage Rating (DC)=75V, Width=0.031inch
R6 R7: library part CMP-2000-00396-1, Manufacturer=Panasonic, Part Number=ERJ3EKF27R0V
R9 R10 R25 R26 R27 R28 R29 R30: "RESISTOR"
R11 R12 R13 R14 R15 R16 R17: library part CMP-2000-00335-2, "Chip Resistor, 220 Ohm, +/- 1%, 0.1 W, -55 to 155 degC, 0603 (1608 Metric), RoHS, Tape and Reel", Case Code (Imperial)=0603, Case Code (Metric)=1608, Max Operating Temperature="155 degC", Min Operating Temperature="-55 degC", Package Quantity=5000, Power Rating="100 mW", Resistance="22 Ohm", Tolerance=1%, Voltage Rating="50 V", Case\Package=0603, ComponentLink1Description="Manufacturer URL", ComponentLink1URL=http://www.panasonic.com/, ComponentLink2Description=Datasheet, ComponentLink2URL=http://industrial.panasonic.com/cdbs/www-data/pdf/RDA0000/AOA0000C86.pdf, DatasheetVersion=Apr-15, Height="0.45 mm", Length="1.6 mm", Mount="Surface Mount", PackageDescription="2-Pin Surface Mount Device, Body 1.6 x 0.85 mm", PackageReference=0603, Packaging="Tape and Reel", Pins=2, REACH SVHC="No SVHC", RoHSCompliant=true, Voltage Rating (DC)="50 V", Width="0.8 mm"
R18 R19 R20: library part CMP-2000-00180-1, Manufacturer=Panasonic, Part Number=ERJ-3EKF1001V
R31 R32: library part CMP-1012-00586-3, "Precision Thick Film Chip Resistor, 4.7 KOhm, +/- 1%, -55 to 155 degC, 0603 (1608 Metric), RoHS, Tape and Reel", Case Code (Imperial)=1206, Case Code (Metric)=3216, Case\Package=1205, Max Operating Temperature="125 degC", Min Operating Temperature="-55 degC", Package Quantity=1, Power Rating="250 mW", Resistance="220 Ohm", Tolerance=5%, Type (Resistor)="Thick Film", Voltage Rating="50 V", ComponentLink1Description="Manufacturer URL", ComponentLink1URL=http://www.panasonic.com/, ComponentLink2Description=Datasheet, ComponentLink2URL=http://industrial.panasonic.com/cdbs/www-data/pdf/RDA0000/AOA0000C86.pdf, DatasheetVersion=Apr-15, Elements=4, Height="0.024 inch", Length="0.126 inch", Mount="Surface Mount", PackageDescription="2-Pin Surface Mount Device, Body 1.6 x 0.85 mm", PackageReference=0603, Packaging="Tape and Reel", Pins=8, Radiation Hardening=No, REACH SVHC="No SVHC", RoHSCompliant=true, Width="0.063 inch"
R33: library part CMP-1013-00405-1, "120R 0.125W 1% 0805 (2012 Metric)  SMD", Case-EIA=0805, Case-Metric=2012, Power="0.125 W", Tolerance="1 %", Technology=SMT
SW1: "SWITCH SLIDE DP3T 300MA 6V", Digikey_Partnumber=CKN10725CT-ND, Manufacturer=C&K, Mouser_Partnumber=611-JS203011JCQN, Package=SW_SMT_13MM_3MM6_DP3T, Temperature=to, Temperature_Range_High=+85°C, Temperature_Range_Low=-40°C, Voltage Rating=6V, ComponentLink1Description=Upverter, ComponentLink1URL=https://upverter.com/upn/revision/6f40db4ea45800d9/, ComponentLink2Description=Datasheet, ComponentLink2URL=http://www.ck-components.com/media/1422/js.pdf, Digikey_Description="Slide Switch DP3T Surface Mount", helpURL=https://upverter.com/upn/revision/6f40db4ea45800d9/, Lead Free=yes, Octopart Part Number=JS203011JCQN, Part Number=JS203011JCQN, Price=0.461720331896, RoHS=TRUE, Supplier 1=Digi-Key, Supplier Part Number 1=CKN10725CT-ND
SYM_X: library part SYMBOL_GYRO_CCLOCKWISE, PackageName=SYMBOL_GYRO_CCLOCKWISE
SYM_Y: library part SYMBOL_GYRO_CLOCKWISE, PackageName=SYMBOL_GYRO_CLOCKWISE
SYM_Z: library part SYMBOL_GYRO_Z, PackageName=SYMBOL_GYRO_Z
U1: library part CMP-1655-00023-2, "Ultra-Low-Power ARM Cortex-M4 32-bit MCU+FPU, 1024 KB Flash, 128 KB Internal RAM, 82 I/Os, 100-Pin LQFP, -40 to 85 degC, Tray", I/Os (High Current)=82, Manufacturer=STMicroelectronics, Operating Frequency(F) (Processor speed) (MHz)=80, Package Description="100-Pin Low Profile Quad Flat Package, Body 14 x 14 mm, Pitch 0.5 mm", Package Reference=LQFP100, Supply Voltage(Vcc) min (V)=1.71, ComponentLink1Description="Manufacturer URL", ComponentLink1URL=http://www.st.com/, ComponentLink2Description=Datasheet, ComponentLink2URL=http://www.st.com/st-web-ui/static/active/en/resource/technical/document/datasheet/DM00108833.pdf, Core="ARM Cortex-M4", D/A Converter=2, DatasheetVersion="Rev. 5", FLASH Size (Prog) (kB)=1024, Internal RAM Size (kB)=128, Mounting Technology="Surface Mount", Packing=Tray, PartNumber=STM32L486VGT6
U2: library part CMP-0315-00073-2, "3.3 V CAN Transceiver, 17 mA, -40 to 85 degC, 8-pin SOIC (D), Green (RoHS & no Sb/Br)", Drivers Per Package=1, Manufacturer="Texas Instruments", Rating=Catalog, Supply Voltage(s)(V)=3.3, Code_JEDEC=MS-012AA, ComponentLink1Description=Datasheet, ComponentLink1URL=http://www.ti.com/general/docs/lit/getliterature.tsp?genericPartNumber=SN65HVD232&fileType=pdf, DatasheetVersion=SLOS346K, Eco-Plan="Green (RoHS & no Sb/Br)", ICC(Max)(mA)=17, Isolated=No, Mounting Technology="Surface Mount", PackageDescription="8-Pin Plastic Small Outline Integrated Circuit, 4.9 x 3.9 mm, Pitch 1.27 mm Pitch", PackageReference=D0008A, PackageVersion="revM, Jun-2011", PartNumber=SN65HVD232D, Receivers Per Package=1, SubFamily=CAN, Transient Pulse Protection(V)="-25 to 25"
U3: "IC FLASH 2GBIT SPI 104MHZ 8WSON", Supplier Part Number 1=W25M02GVZEITTR-ND, Supplier 1=Digi-Key
U4: "IC USB SERIAL BASIC UART 16SSOP", Package="SSOP-16 FTDI", Supplier Part Number 1=768-1135-1-ND, Availability=Unavailable, MF="FTDI, Future", MP=FT230XS, Price=None, SnapEDA_Link=https://www.snapeda.com/parts/FT230XS/FTDI%2C%20Future%20Technology%20Devices%20International%20Ltd/view-part/433817/?ref=snap, Supplier 1=Digi-Key
U5: library part CMP-2000-07467-2, "IMU ACCEL/GYRO I2C/SPI 14LGA", Manufacturer=STMicroelectronics, Max Supply Voltage=3.6V, Min Supply Voltage=1.62V, Operating Supply Current=0.29-0.65mA, Package=LGA-14L-DM00249496, Temperature="-40°C to +85°C", Temperature Range High=+85°C, Temperature Range Low=-40°C, Accel Range=2/4/8/16g, Automotive=No, Category=IC, ComponentLink2Description=Datasheet, ComponentLink2URL=https://www.st.com/resource/en/datasheet/lsm6dsl.pdf, Device Class L1=Sensors, Device Class L2="Motion Sensors", Device Class L3="Inertial Measurement Units (IMUs)", Digikey Description="IMU ACCEL/GYRO I2C/SPI 14LGA", Footprint Url=https://www.st.com/resource/en/technical_note/cd00134799.pdf, Gyro Range=125/250/500/1000/2000°/s, Height=0.86mm, Lead Free=Yes, Manufacturer Part Number=LSM6DSLTR, Mouser Description="iNEMO inertial module: always-on 3D accelerometer and 3D gyroscope", Octopart=https://octopart.com/lsm6dsltr-stmicroelectronics-66358193, Resolution=16bits, RoHS=TRUE, Sensor Output=I2C,SPI, Sensor Type=Temperature,Accelerometer,Gyroscope
U6: "ACCEL 100-400G I2C/SPI 16TFLGA", Package="TFLGA-16 STMicroelectronics", Supplier Part Number 1=497-13903-1-ND, Availability=Unavailable, MF=STMicroelectronics, MP=H3LIS331DL, Price=None, SnapEDA_Link=https://www.snapeda.com/parts/H3LIS331DL/STMicroelectronics/view-part/106099/?ref=snap, Supplier 1=Digi-Key
U7: "ACCELEROMETER 16LGA", Package="VFLGA-16 Bosch Sensortec", Supplier Part Number 1=828-1082-1-ND, Availability=Unavailable, MF="Bosch Sensortec", MP=BMI088, Price=None, SnapEDA_Link=https://www.snapeda.com/parts/BMI088/Bosch%20Sensortec/view-part/2774026/?ref=snap, Supplier 1=Digi-Key
U8: "SENSOR MR I2C/SPI 12LGA", Package="WFLGA-12 STMicroelectronics", Supplier Part Number 1=497-17588-1-ND, Digi-Key_Part_Number=497-17588-1-ND, Digi-Key_Purchase_URL=https://www.digikey.com/product-detail/en/stmicroelectronics/LIS2MDLTR/497-17588-1-ND/7565512?utm_source=snapeda&utm_medium=aggregator&utm_campaign=symbol, MF=STMicroelectronics, MP=LIS2MDLTR, SnapEDA_Link=https://www.snapeda.com/parts/LIS2MDLTR/STMicroelectronics/view-part/839420/?ref=snap, Supplier 1=Digi-Key
U9: "BAROMETRIC PRESSURE SENSOR", Package="SMD-8 TE Connectivity", Supplier Part Number 1=223-1198-1-ND, Availability=Unavailable, EU_RoHS_Compliance=Compliant, MF="TE Connectivity", MP=MS560702BA03-50, Price=None, SnapEDA_Link=https://www.snapeda.com/parts/MS560702BA03-50/TE%20Connectivity%20ALCOSWITCH%20Switches/view-part/480584/?ref=snap, Supplier 1=Digi-Key, TE_purchase_URL=https://www.te.com/usa-en/product-MS560702BA03-50.html?te_bu=Cor&te_type=disp&te_campaign=seda_glo_cor-seda-global-disp-prtnr-fy19-seda-model-bom-cta_sma-317_1&elqCampaignId=32493
XTAL1: "CRYSTAL 32.768KHZ 6PF SMD", Supplier Part Number 1=644-1386-1-ND, Supplier 1=Digi-Key
XTAL2: "CRYSTAL 8.0000MHZ 8PF SMD", Supplier Part Number 1=644-1178-1-ND, Supplier 1=Digi-Key

## Free pads (board coordinates)
  round 4 hole 3.2: HOLE(-36,-20.5) HOLE(-36,20.5) HOLE(36,-20.5) HOLE(36,20.5)

## Via types
v1: diameter 0.61, hole 0.305, Top Copper to Bottom Copper, tented both sides, 236 vias
v2: diameter 0.61, hole 0.305, Top Copper to Bottom Copper, 1 vias

## Nets (pads, with @x,y where several pads share a name; then routed paths per layer and width w, separated by ;. In a path a pad name is that pad's centre, name@x,y a point inside that pad or via, vN(x,y) a via of type N, cw(c..) or ccw(c..) an arc to the next point about the centre after c; other vN are vias at no path point)
+3.3: C3.2 C11.2 C14.2 C15.2 C16.2 C17.2 C19.2 C20.2 C21.2 C25.2 C28.2 C30.2 C31.2 C32.1 C33.1 C34.1 C35.1 C36.1 C37.2 C38.1 C39.1 C40.1 C42.1 D1.1 D3.2 D9.1 DS1.1 F1.2 H1.1 J6.2 L3.1 P2.1 Q4.1 Q5.1 R8.1 R18.2 R21.2 R22.2 R31.2 R32.2 U1.6 U1.11 U1.28 U1.50 U1.73 U1.75 U1.100 U2.3 U3.8 U5.5 U5.8 U6.1 U6.14 U6.15 U7.3 U7.11 U8.9 U8.10 U9.1 | length 182.8
  Top Copper w0.203: C39.1@10.75,12.29 10.96,12.5 v1(12,12.5) 13,12.5 ; C36.1@11.435,13.79 C36.1@11.435,14 ; C32.1@12.96,14.21 C32.1@12.96,14.25 13,14.21 13,12.5 ; U8.10@13,12.01 13,12.5 ; U8.9@13.5,12.01 13.5,12.381 13.381,12.5 13,12.5 ; C30.2@21.04,3.25 C30.2@21.185,3.395 ; C25.2@21.5,-6.475 21.55,-6.475 22.575,-7.5 v1(23.75,-7.5) ; v1(22.5,5.5) 21.584,5.5 21.185,5.101 C40.1@21.185,5 C30.2@21.185,3.395 ; v1(23,-3.75) 23.676,-4.427 24.014,-4.427 U5.5@24.088,-4.5 ; U6.15@23.53,2.5 22.61,2.5 v1@22.36,2.75 ; U6.14@23.53,3 22.61,3 v1@22.36,2.75 ; U6.1@24,1.03 24,0.369 23.881,0.25 21.435,0.25 C34.1@21.185,0 21.185,1.605 C38.1@21.04,1.75 21.04,1.79 21.409,2.158 21.658,2.158 v1(22.25,2.75) ; U5.8@24.25,-6.163 24.25,-7 v1(23.75,-7.5) ; C37.2@26.065,-8 25.815,-8.25 24.5,-8.25 v1(23.75,-7.5) ; C30.2@21.185,3.395 21.264,3.395 21.409,3.25 21.75,3.25 v1(22.25,2.75) ; v1(22.25,2.75) v1@22.36,2.75
  Top Copper w0.254: R8.1@-18.6,-20.5 R8.1@-18.5,-20.4 v1(-18.5,-21.5) ; D9.1@-18.5,-13.135 D3.2@-18.5,-11.75 ; DS1.1@-15.5,-21.5 v1(-14.5,-21.5) D1.1@-13.3,-21.5 D1.1@-13.25,-21.55 ; v1(-15.25,6) -15.25,7.1 -14.4,7.95 R21.2@-14.4,8 -14.4,8.05 -14.95,8.6 Q4.1@-14.95,9.84 ; v1(-12.75,6) -12.682,6.068 -12.682,6.418 -11.175,7.925 -11.175,9.815 Q5.1@-11.2,9.84 ; v1(-10,-0.25) -10,1.429 -9.513,1.916 C20.2@-9.513,2.013 ; H1.1@-9.79,-21.032 -9.75,-21.072 v1(-9.75,-23) ; v1(-9.25,-5.5) -9.25,-6.725 R18.2@-9.225,-6.75 ; v1(-9.25,4) -9.182,3.932 -8.995,3.932 -8.54,3.477 -8.048,3.477 C19.2@-8.013,3.513 ; v1@-7.5,5.654 v1(-7.5,5.75) -6.763,5.013 C17.2@-6.763,4.763 ; C3.2@-2.987,6.487 -2.737,6.487 v1(-2,5.75) -1.932,5.682 -1.932,5.45 -1.905,5.423 U3.8@-1.905,3.975 ; C21.2@-2.975,-8.25 -2.743,-8.482 -2.743,-9.007 -1.75,-10 v1(-0.25,-10) ; C15.2@-2,11.025 -1.818,10.843 -1.818,10.318 -1.5,10 v1(0,10) ; C16.2@0.225,-6.5 0.5,-6.775 v1(0.5,-7.5) ; C11.2@9.101,-0.649 9.101,-0.399 10.013,0.513 C14.2@10.013,0.987 ; C14.2@9.823,1.073 v1(10.75,2) ; C36.1@11.435,13.79 12,13.225 v1(12,12.5) ; C33.1@13.75,-6.815 14.123,-7.188 14.834,-7.188 15.078,-7.432 15.682,-7.432 v1(15.75,-7.5) ; U9.1@15.625,-6.2 15.625,-7.279 15.75,-7.404 v1(15.75,-7.5) ; C28.2@15.75,-8.815 v1(15.75,-7.5) ; C31.2@21.29,13.75 21.29,13.79 21.75,14.25 24,14.25 v1(24.75,13.5) 24.75,13.404 24.5,13.154 U7.11@24.5,12.41 ; U7.3@25.5,10.09 25.5,9.077 25.75,8.827 v1(25.75,8.75) 26.5,8 27.5,8 28.71,9.21 C35.1@28.75,9.21 ; U2.3@31.925,-15.385 31.982,-15.443 33.692,-15.443 v1(33.75,-15.5)
  Top Copper w0.381: F1.2@-21.25,-10.11 F1.2@-20.9,-10.11 ; F1.2@-20.25,-9.46 F1.2@-20.9,-10.11 ; D3.2@-18.5,-11.75 -19.472,-11.75 -19.965,-11.256 -19.965,-10.759 -20.615,-10.11 F1.2@-20.9,-10.11 ; L3.1@-7,12.472 v1(-7,13.75)
  Top Copper w0.508: v1(-23.5,-11.25) -23.48,-11.23 -23.005,-11.23 -21.885,-10.11 F1.2@-21.25,-10.11 v1(-21.25,-8.5) ; F1.2@-20.25,-9.46 v1(-20.25,-8.5) ; v1(7.75,5.5) 6.325,5.5 C42.1@5.75,6.075 6.425,6.75 v1(7.75,6.75)
  Signal Layer 2 w0.203: v1(23,-3.75) 23.75,-4.5 v1(23.75,-7.5)
  Signal Layer 2 w0.254: P2.1@-25,4.88 -19.87,4.88 ; v1(-20.25,-8.5) -16.25,-8.5 ; v1(-18.5,-21.5) v1(-14.5,-21.5) ; -17.25,7.5 -19.87,4.88 ; v1(-17,-15) -17,-19 v1(-14.5,-21.5) ; v1(-16,-12.75) -15.5,-12.25 -15.5,-9.25 -16.25,-8.5 ; v1(-10,-0.25) -12.298,-0.25 -12.548,0 ; v1(-9.75,-23) -13,-23 v1(-14.5,-21.5) ; -7.346,13.75 -7.096,13.5 v1@-7,13.5 ; -19.87,4.88 -19.63,4.88 -19.056,4.306 -13.806,4.306 -12.548,3.048 -12.548,0 ; -16.25,-8.5 -16.101,-8.351 -16.101,-4.914 -16.75,-4.265 -16.75,-0.75 -16,0 -12.548,0
  Bottom Copper w0.254: v1(-10,-0.25) -9.451,-0.799 -9.451,-0.802 U1.100@-9.7,-1.05 ; v1(-9.25,4) -9.182,3.932 -8.99,3.932 U1.6@-8.39,3.332 ; v1(-7.5,5.75) -7.432,5.682 -7.204,5.682 U1.11@-6.164,4.642 ; v1(-0.25,-10) U1.75@0.577,-9.173 ; v1(0,10) 0,8.5 0.5,8 0.765,8 U1.28@1.649,8.885 ; v1(0.5,-7.5) 0.568,-7.568 0.568,-7.747 U1.73@1.649,-8.828 ; U1.50@9.427,1.106 10.253,1.932 10.682,1.932 v1(10.75,2) ; R32.2@30.25,2.35 v1(30.25,3.75) R31.2@30.25,5.15
  Bottom Copper w0.508: v1(-17,-15) -16,-14 v1(-16,-12.75)
+3.3A: C18.2 C23.2 C24.2 L3.2 U1.21 U1.22 | length 12.6
  Top Copper w0.254: L3.2@-6.392,10.132 -6.546,10.286 -6.546,10.731 -5.544,10.731 C24.2@-5.2,11.075 ; C24.2@-5.25,11.025 -4.975,10.75 -4.125,10.75 -3.8,11.075 C23.2@-3.75,11.075 -3.5,10.825 v1(-3.5,10) -2.759,9.259 -2.759,8.767 C18.2@-2.763,8.763 -2.767,8.759 -3.259,8.759 -3.932,9.432 -4.182,9.432 v1(-4.25,9.5)
  Bottom Copper w0.254: v1(-4.25,9.5) -4.182,9.432 -3.883,9.432 U1.21@-2.629,8.177 ; v1(-3.5,10) -3.432,9.932 -3.432,9.688 U1.22@-2.275,8.531
+5: D2.2 D10.1 F2.2 J7.2 R23.2 R24.2 | length 34.6
  Top Copper w0.254: D2.2@-18.5,9.25 D10.1@-18.5,10.635
  Top Copper w0.381: F2.2@-22.495,13 F2.2@-21.885,12.39 ; v1(-21.25,14) F2.2@-21.25,12.39 -20.719,12.39 -20.069,11.741 -20.069,11.209 -19.619,10.76 -18.625,10.76 D10.1@-18.5,10.635 ; R23.2@-13.35,13.5 -12.125,13.5 ; v1(-11.25,15.75) -12.125,14.875 -12.125,13.5 ; R24.2@-10.9,13.5 -12.125,13.5
  Signal Layer 2 w0.254: -12,16.25 -11.75,16.25
  Signal Layer 2 w0.381: -11.75,16.25 v1(-11.25,15.75)
  Signal Layer 2 w0.508: v1(-21.25,14) -14.25,14 -12,16.25 -11.5,16.75 -5,16.75 J7.2@-2.5,19.25
ADC_BAT: C26.2 R25.2 R26.2 U1.17 | length 22.9
  Top Copper w0.254: R25.2@-19.96,1 -19.25,1 -19,1.25 -19,2.5 ; R26.2@-19.96,2.5 -19,2.5 ; C26.2@-19.96,4 -18.851,4 ; v1(-6,8) -6.75,7.25 -7,7.25 -10,4.25 -18.601,4.25 -18.851,4 ; -19,2.5 -19,3.75 -19,3.851 -18.851,4
  Bottom Copper w0.254: v1(-6,8) -5.28,8 U1.17@-4.043,6.763
ADC_EMD: C27.2 R27.2 R28.1 U1.18 | length 30.4
  Top Copper w0.254: C27.2@-24.21,-0.5 -23.5,-0.5 -23.25,-0.25 -23.25,1 ; R28.1@-24.21,1 -23.25,1 ; R27.2@-24.21,2.5 -23.25,2.5 ; v1(-7,8) -10.25,4.75 -18.5,4.75 -19.25,5.5 -22.25,5.5 -23.25,4.5 -23.25,2.5 ; -23.25,1 -23.25,2.5
  Bottom Copper w0.254: v1(-7,8) -7,8.096 -6.346,8.75 -5.323,8.75 U1.18@-3.689,7.117
ADC_EMM: C41.1 R29.1 R30.1 U1.23 | length 39.8
  Top Copper w0.254: R29.1@-24.21,-5 -23.5,-5 -23.25,-4.75 v1(-23.25,-3.5) ; R30.1@-24.21,-3.5 v1(-23.25,-3.5) ; C41.1@-24.21,-2 -23.5,-2 -23.25,-2.25 v1(-23.25,-3.5) ; v1(-22.75,6) -18.75,6 -18,5.25 -11,5.25 v1(-7,9.25)
  Bottom Copper w0.254: v1(-23.25,-3.5) -23.25,5.5 v1(-22.75,6) ; v1(-7,9.25) -5.5,10.75 -3.25,10.75 -2.75,10.25 -2.75,9.713 U1.23@-1.922,8.885
BAT+: J12.2 J12.4 | length 6.9
  Signal Layer 2 w0.508: J12.2@-29,-3.993 -28.993,-3.993 -27.25,-2.25 -27.25,-0.257 J12.4@-29,1.493
BATH+: H2.1 H2.3 | length 12.2
  Signal Layer 2 w0.508: H2.3@-25.42,18.75 -22.92,16.25 -17.76,16.25 H2.1@-15.26,18.75
BUZZER: Q1.G U1.24 | length 25
  Top Copper w0.254: Q1.G@-7.55,-9.4 -7.55,-9.2 -7.177,-8.827 -6.75,-8.4 -6.75,-5.25 -3.374,-1.874 v1(-3.374,3.75)
  Bottom Copper w0.254: v1(-3.374,3.75) -1.25,3.75 1.25,6.25 1.25,7 0.75,7.5 0.17,7.5 -0.75,8.42 U1.24@-1.568,9.238